# Altium PCB HIL_RIG_REV_1_2.PcbDoc (part 5 of 14) (continued)
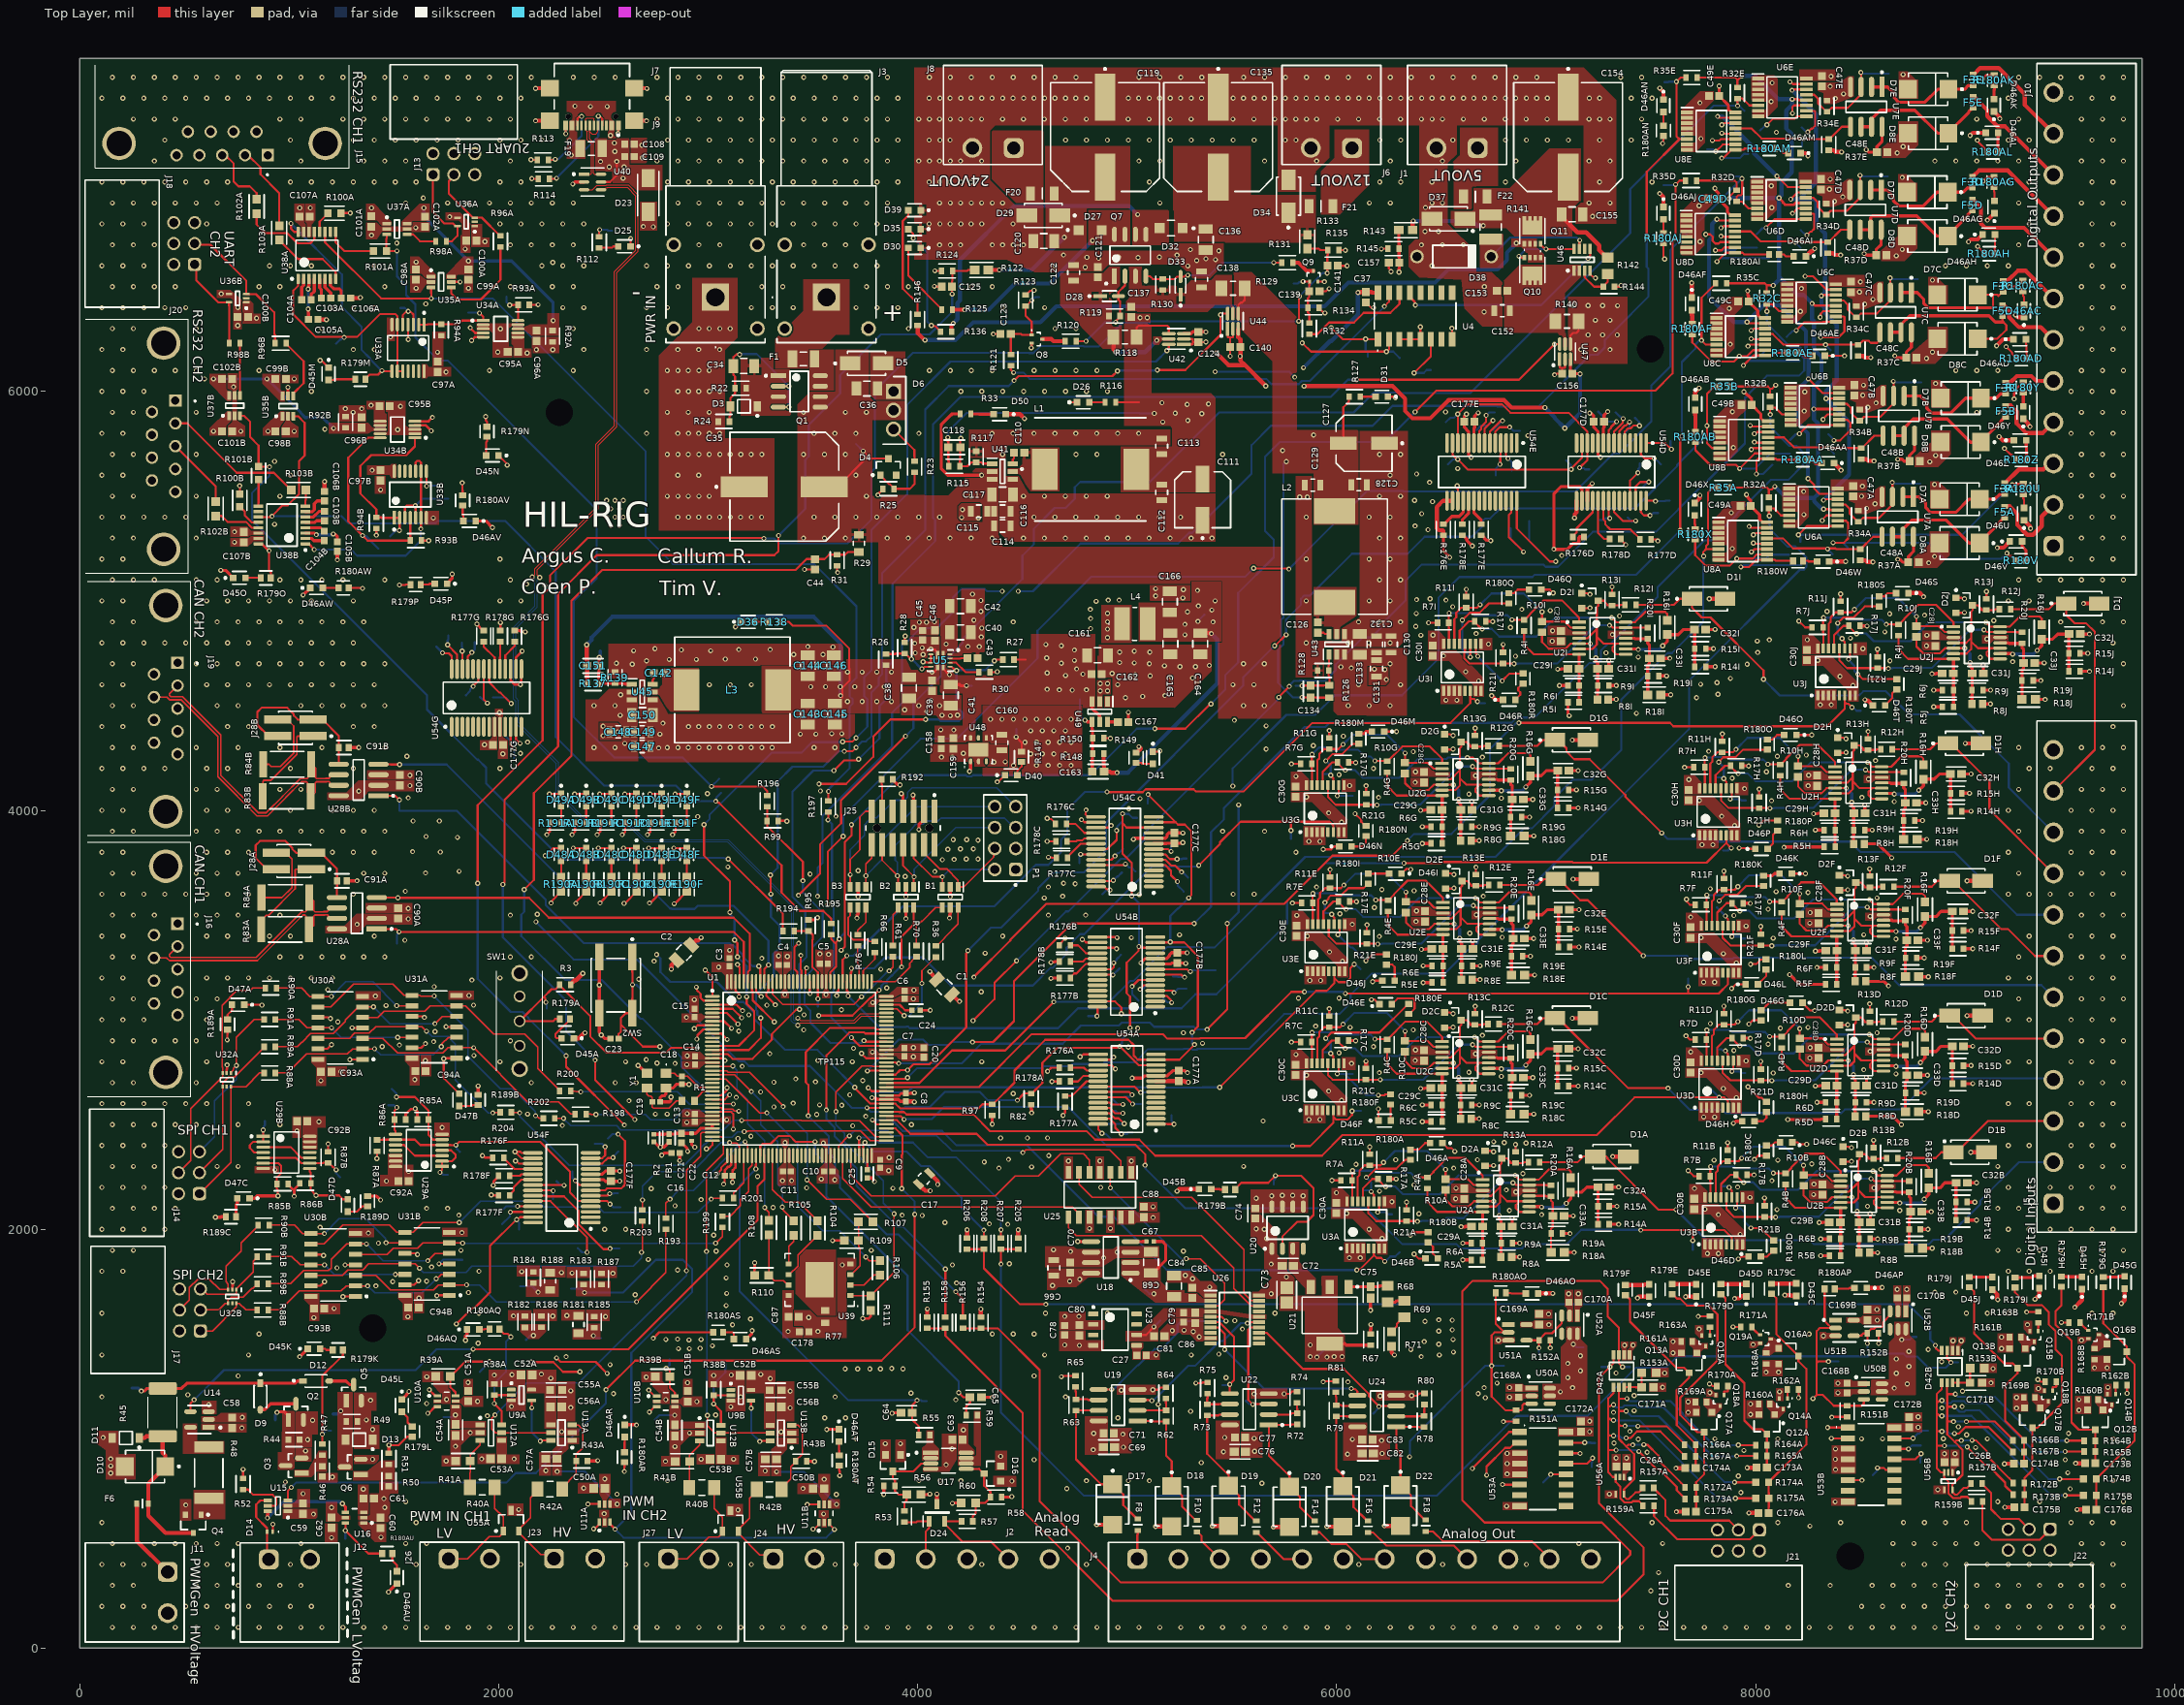
[diagram p0: Top Layer view]
## Part data (continued)
R126: library part CMP-009-00329-1, "Res Thick Film 0603 48.7K Ohm 1% 0.1W(1/10W) ±100ppm/C Pad SMD T/R", Case Code (Imperial)=0603, Max Operating Temperature=155°C, Max Power Dissipation=100mW, Min Operating Temperature=-55°C, Temperature Coefficient=100ppm/°C, Tolerance=1%, Voltage Rating=75V, Voltage Rating (DC)=50V, Case/Package=0603, China RoHS=Non-Compliant, Composition="Thick Film", Depth=800µm, Features="Moisture Resistant", Height=450µm, Lead Free="Lead Free", Length=1.6mm, Lifecycle Status=Production, Military Standard=Not, Mounting Technology="Surface Mount", Number of Terminals=2, Number of Terminations=2, Power Rating=100mW, REACH SVHC=Yes, RoHS=Compliant, Schedule B="8533210045, 8533210045", Termination=SMD/SMT, Width=800µm, Working Voltage=75V
R127 R136: library part CMP-009-00325-1, "Fixed Resistor, Thin Film, 0.1W, 5600ohm, 75V, 1% +/-Tol, 50ppm/Cel, Surface Mount, 0603", Case Code (Imperial)=0603, Max Operating Temperature=155°C, Max Power Dissipation=100mW, Min Operating Temperature=-55°C, Temperature Coefficient=50ppm/°C, Tolerance=1%, Voltage Rating=75V, Case/Package=0603, China RoHS=Non-Compliant, Composition="Thin Film", Depth=800µm, Height=450µm, Lead Free="Lead Free", Length=1.6mm, Lifecycle Status=Production, Military Standard=Not, Mounting Technology="Surface Mount", Number of Terminals=2, Number of Terminations=2, Pins=2, Power Rating=100mW, REACH SVHC=Yes, RoHS=Compliant, Schedule B="8533210045, 8533210045", Termination=SMD/SMT, Voltage Rating (DC)=75V, Width=800µm, Working Voltage=75V
R139: library part CMP-009-00352-1, "100mW Thin Film Resistor ±25ppm/℃ ±0.1% 19.1kΩ 0603 Chip Resistor - Surface Mount ROHS", Case Code (Imperial)=0603, Max Operating Temperature=155°C, Max Power Dissipation=100mW, Min Operating Temperature=-55°C, Temperature Coefficient=25ppm/°C, Tolerance=0.1%, Voltage Rating=75V, Voltage Rating (DC)=50V, Case/Package=0603, China RoHS=Non-Compliant, Composition="Thin Film", Depth=800µm, Features="Moisture Resistant", Height=450µm, Lead Free="Lead Free", Length=1.6mm, Lifecycle Status=Production, Military Standard=Not, Mounting Technology="Surface Mount", Number of Terminals=2, Number of Terminations=2, Power Rating=100mW, REACH SVHC=Yes, RoHS=Compliant, Schedule B="8533210045, 8533210045", Termination=SMD/SMT, Weight=2.012816mg, Width=800µm, Working Voltage=75V
R141: library part CMP-009-00336-1, "500mW Thick Film Resistors 200V ±100ppm/℃ ±1% 1kΩ 1210 Chip Resistor - Surface Mount ROHS", Case/Package=1210, Manufacturer Package Identifier="1210 (3225 Metric)", Max Operating Temperature=155°C, Max Power Dissipation=500mW, Min Operating Temperature=-55°C, Ratings=AEC-Q200, Temperature Coefficient=100ppm/°C, Tolerance=1%, Working Voltage=200V, China RoHS=Non-Compliant, Composition="Thick Film", Country of Origin="Mainland China, Taiwan", Export Control Classification Number (ECCN) Code=EAR99, Features="Automotive AEC-Q200, Moisture Resistant", Harmonized Tariff Schedule (HTS) Code=8533.21.00.30, Height=550µm, Introduction Date=2012-04-10, Length=3.1mm, Lifecycle Status=Production, Mounting Technology="Surface Mount", Number of Terminals=2, Number of Terminations=2, Power Rating=500mW, REACH SVHC=Yes, RoHS=Compliant, Schedule B="8533210045, 8533210045", Width=2.6mm
R147 R149 R179A R179B R179C R179D R179E R179F R179G R179H R179I R179J R179K R179L R179M R179N R179O R179P R180A R180AA R180AB R180AC R180AD R180AE R180AF R180AG R180AH R180AI R180AJ R180AK R180AL R180AM R180AN R180AO R180AP R180AQ R180AR R180AS R180AT R180AU R180AV R180AW R180B R180C R180D R180E R180F R180G R180H R180I R180J R180K R180L R180M R180N R180O R180P R180Q R180R R180S R180T R180U R180V R180W R180X R180Y R180Z R189A R189B R189C R189D: library part CMP-009-00300-1, "Fixed Resistor, Metal Glaze/Thick Film, 0.1W, 680ohm, 75V, 5% +/-Tol, Surface Mount, 0603", Case Code (Imperial)=0603, Max Operating Temperature=155°C, Max Power Dissipation=100mW, Min Operating Temperature=-55°C, Ratings=AEC-Q200, Temperature Coefficient=200ppm/°C, Tolerance=5%, Voltage Rating=75V, Case/Package=0603, China RoHS=Non-Compliant, Composition="Thick Film", Contact Plating=Tin, Country of Origin="Israel, Taiwan", Depth=850µm, Export Control Classification Number (ECCN) Code=EAR99, Features="Automotive AEC-Q200", Harmonized Tariff Schedule (HTS) Code=8533.21.00.30, Height=450µm, Introduction Date=2005-02-16, Lead Free="Lead Free", Length=1.55mm, Lifecycle Status=Production, Military Standard=Not, Mounting Technology="Surface Mount", Number of Terminals=2, Number of Terminations=2, Packaging="Cut Tape", Pins=2, Power Rating=100mW, Radiation Hardening=No, REACH SVHC=Yes, RoHS=Compliant, Schedule B="8533210045, 8533210045", Termination=SMD/SMT, Voltage Rating (DC)=75V, Weight=2.012816mg, Width=850µm, Working Voltage=75V
R148: library part CMP-009-00323-1, "100mW Thin Film Resistor 75V ±25ppm/℃ ±0.1% 33.2kΩ 0603 Chip Resistor - Surface Mount ROHS", Case Code (Imperial)=0603, Max Operating Temperature=155°C, Max Power Dissipation=100mW, Min Operating Temperature=-55°C, Temperature Coefficient=25ppm/°C, Tolerance=0.1%, Voltage Rating=75V, Voltage Rating (DC)=50V, Case/Package=0603, China RoHS=Non-Compliant, Composition="Thin Film", Contact Plating=Tin, Depth=800µm, Height=450µm, Lead Free="Lead Free", Length=1.6mm, Lifecycle Status=Production, Military Standard=Not, Mounting Technology="Surface Mount", Number of Terminals=2, Number of Terminations=2, Power Rating=100mW, Radiation Hardening=No, REACH SVHC=Yes, RoHS=Compliant, Termination=SMD/SMT, Width=800µm, Working Voltage=75V
R172A R172B R173A R173B: library part CMP-009-00293-1, "Res Thin Film 0603 4.7K Ohm 0.1% 0.1W(1/10W) ±25ppm/C Pad SMD T/R", Case Code (Imperial)=0603, Max Operating Temperature=155°C, Max Power Dissipation=100mW, Min Operating Temperature=-55°C, Temperature Coefficient=25ppm/°C, Tolerance=0.1%, Voltage Rating=75V, Voltage Rating (DC)=50V, Case/Package=0603, China RoHS=Non-Compliant, Composition="Thin Film", Contact Plating="Lead, Tin", Country of Origin="Mainland China, Taiwan", Depth=800µm, Export Control Classification Number (ECCN) Code=EAR99, Features="Moisture Resistant", Harmonized Tariff Schedule (HTS) Code=8533.21.00.30, Height=450µm, Introduction Date=2008-06-09, Lead Free="Lead Free", Length=1.6mm, Lifecycle Status=Production, Military Standard=Not, Mounting Technology="Surface Mount", Number of Terminals=2, Number of Terminations=2, Power Rating=100mW, REACH SVHC=Yes, RoHS=Compliant, Schedule B="8533210045, 8533210045", Termination=SMD/SMT, Weight=2.012816mg, Width=800µm, Working Voltage=75V
R174A R174B R175A R175B: library part CMP-009-00353-1, "100mW Thin Film Resistor 75V ±25ppm/℃ ±0.1% 1kΩ 0603 Chip Resistor - Surface Mount ROHS", Case Code (Imperial)=0603, Max Operating Temperature=155°C, Max Power Dissipation=100mW, Min Operating Temperature=-55°C, Temperature Coefficient=25ppm/°C, Tolerance=0.1%, Voltage Rating=75V, Voltage Rating (DC)=50V, Case/Package=0603, China RoHS=Non-Compliant, Composition="Thin Film", Contact Plating="Lead, Tin", Country of Origin="Mainland China, Taiwan", Depth=800µm, Export Control Classification Number (ECCN) Code=EAR99, Features="Moisture Resistant", Harmonized Tariff Schedule (HTS) Code=8533.21.00.30, Height=450µm, Introduction Date=2008-06-09, Lead Free="Lead Free", Length=1.6mm, Lifecycle Status=Production, Military Standard=Not, Mounting Technology="Surface Mount", Number of Terminals=2, Number of Terminations=2, Power Rating=100mW, REACH SVHC=Yes, RoHS=Compliant, Schedule B="8533210045, 8533210045", Termination=SMD/SMT, Width=800µm, Working Voltage=75V
R181 R188: library part CMP-009-00340-1, "125mW Thin Film Resistor ±25ppm/℃ ±0.1% 10.2kΩ 0805 Chip Resistor - Surface Mount ROHS", Case Code (Imperial)=0805, Manufacturer Package Identifier="0805 (2012 metric)", Max Operating Temperature=155°C, Max Power Dissipation=125mW, Min Operating Temperature=-55°C, Temperature Coefficient=25ppm/°C, Tolerance=0.1%, Voltage Rating=150V, Case/Package=0805, China RoHS=Non-Compliant, Composition="Thin Film", Country of Origin="Mainland China, Taiwan", Export Control Classification Number (ECCN) Code=EAR99, Harmonized Tariff Schedule (HTS) Code=8533.21.00.30, Height=500µm, Introduction Date=2008-06-09, Lead Free="Lead Free", Length=2mm, Lifecycle Status=Production, Mounting Technology="Surface Mount", Number of Terminals=2, Number of Terminations=2, Power Rating=125mW, REACH SVHC=Yes, RoHS=Compliant, Schedule B="8533210045, 8533210045", Termination=SMD/SMT, Voltage Rating (DC)=150V, Weight=5.499807mg, Width=1.25mm, Working Voltage=150V
R182 R183: library part CMP-009-00263-1, "100mW Thin Film Resistor 75V ±25ppm/℃ ±0.1% 11.5kΩ 0603 Chip Resistor - Surface Mount ROHS", Case Code (Imperial)=0603, Max Operating Temperature=155°C, Max Power Dissipation=100mW, Min Operating Temperature=-55°C, Temperature Coefficient=25ppm/°C, Tolerance=0.1%, Voltage Rating=75V, Case/Package=0603, China RoHS=Non-Compliant, Composition="Thin Film", Country of Origin="Mainland China, Taiwan", Depth=800µm, Export Control Classification Number (ECCN) Code=EAR99, Features="Moisture Resistant", Harmonized Tariff Schedule (HTS) Code=8533.21.00.30, Height=450µm, Introduction Date=2008-06-09, Lead Free="Lead Free", Length=1.6mm, Lifecycle Status=Production, Military Standard=Not, Mounting Technology="Surface Mount", Number of Terminals=2, Number of Terminations=2, Power Rating=100mW, REACH SVHC=Yes, RoHS=Compliant, Schedule B="8533210045, 8533210045", Termination=SMD/SMT, Voltage Rating (DC)=75V, Weight=2.012816mg, Width=800µm, Working Voltage=75V
R184: library part CMP-009-00337-1, "100mW Thin Film Resistor 75V ±25ppm/℃ ±0.1% 11.3kΩ 0603 Chip Resistor - Surface Mount ROHS", Case Code (Imperial)=0603, Max Operating Temperature=155°C, Max Power Dissipation=100mW, Min Operating Temperature=-55°C, Temperature Coefficient=25ppm/°C, Tolerance=0.1%, Voltage Rating=75V, Case/Package=0603, China RoHS=Non-Compliant, Composition="Thin Film", Depth=800µm, Height=450µm, Lead Free="Lead Free", Length=1.6mm, Lifecycle Status=Production, Military Standard=Not, Mounting Technology="Surface Mount", Number of Terminals=2, Number of Terminations=2, Power Rating=100mW, REACH SVHC=Yes, RoHS=Compliant, Termination=SMD/SMT, Voltage Rating (DC)=75V, Width=800µm, Working Voltage=75V
R185: library part CMP-009-00277-1, "Res Thin Film 0603 3.4K Ohm 0.1% 0.1W(1/10W) ±25ppm/C Pad SMD T/R", Case Code (Imperial)=0603, Max Operating Temperature=155°C, Max Power Dissipation=100mW, Min Operating Temperature=-55°C, Temperature Coefficient=25ppm/°C, Tolerance=0.1%, Voltage Rating=75V, Voltage Rating (DC)=50V, Case/Package=0603, China RoHS=Non-Compliant, Composition="Thin Film", Contact Plating=Tin, Country of Origin="Mainland China, Taiwan", Depth=800µm, Export Control Classification Number (ECCN) Code=EAR99, Features="Moisture Resistant", Harmonized Tariff Schedule (HTS) Code=8533.21.00.30, Height=450µm, Introduction Date=2008-06-09, Lead Free="Lead Free", Length=1.6mm, Lifecycle Status=Production, Military Standard=Not, Mounting Technology="Surface Mount", Number of Terminals=2, Number of Terminations=2, Power Rating=100mW, Radiation Hardening=No, REACH SVHC=Yes, RoHS=Compliant, Schedule B="8533210045, 8533210045", Termination=SMD/SMT, Weight=2.012816mg, Width=800µm, Working Voltage=75V
R186: library part CMP-009-00270-1, "100mW Thin Film Resistor ±25ppm/℃ ±0.1% 6.98kΩ 0603 Chip Resistor - Surface Mount ROHS", Case Code (Imperial)=0603, Max Operating Temperature=155°C, Max Power Dissipation=100mW, Min Operating Temperature=-55°C, Temperature Coefficient=25ppm/°C, Tolerance=0.1%, Voltage Rating=75V, Voltage Rating (DC)=50V, Case/Package=0603, China RoHS=Non-Compliant, Composition="Thin Film", Features="Moisture Resistant", Height=450µm, Lead Free="Lead Free", Length=1.6mm, Lifecycle Status=Production, Mounting Technology="Surface Mount", Number of Terminals=2, Number of Terminations=2, Power Rating=100mW, REACH SVHC=Yes, RoHS=Compliant, Schedule B="8533210045, 8533210045", Termination=SMD/SMT, Width=800µm, Working Voltage=75V
R187: library part CMP-009-00278-1, "100mW Thin Film Resistor ±25ppm/℃ ±0.1% 3.57kΩ 0603 Chip Resistor - Surface Mount ROHS", Case Code (Imperial)=0603, Max Operating Temperature=155°C, Max Power Dissipation=100mW, Min Operating Temperature=-55°C, Temperature Coefficient=25ppm/°C, Tolerance=0.1%, Voltage Rating=75V, Voltage Rating (DC)=50V, Case/Package=0603, China RoHS=Non-Compliant, Composition="Thin Film", Country of Origin="Mainland China, Taiwan", Depth=800µm, Export Control Classification Number (ECCN) Code=EAR99, Features="Moisture Resistant", Harmonized Tariff Schedule (HTS) Code=8533.21.00.30, Height=450µm, Introduction Date=2008-06-09, Lead Free="Lead Free", Length=1.6mm, Lifecycle Status=Production, Military Standard=Not, Mounting Technology="Surface Mount", Number of Terminals=2, Number of Terminations=2, Power Rating=100mW, REACH SVHC=Yes, RoHS=Compliant, Schedule B="8533210045, 8533210045", Termination=SMD/SMT, Weight=2.012816mg, Width=800µm, Working Voltage=75V
R190A R190B R190C R190D R190E R190F: library part CMP-009-00304-1, "Res Thick Film 0603 470 Ohm 5% 0.1W(1/10W) ±100ppm/°C Pad SMD T/R Automotive AEC-Q200", Ambient Temperature Range High=70°C, Case/Package=0603, Manufacturer Lifecycle Status=ACTIVE, Max Operating Temperature=155°C, Min Operating Temperature=-55°C, Operating Supply Voltage=75V, Power Rating=100mW, Ratings=AEC-Q200, Temperature Coefficient=100ppm/°C, Tolerance=5%, China RoHS=Non-Compliant, Composition="Thick Film", Export Control Classification Number (ECCN) Code=EAR99, Harmonized Tariff Schedule (HTS) Code=8533.21.00.30, Height=450µm, Introduction Date=2019-08-26, Length=1.6mm, Lifecycle Status=Production, Mounting Technology="Surface Mount", Number of Terminals=2, Packaging="Cut Tape", REACH SVHC=Yes, RoHS=Compliant, Schedule B="8533210025, 8533210025", Voltage Rating=75V, Voltage Rating (DC)=75V, Width=800µm, Working Voltage=75V
R191A R191B R191C R191D R191E R191F: library part CMP-009-00324-1, "Res Thin Film 0603 180 Ohm 0.5% 0.1W(1/10W) ±50ppm/C Pad SMD T/R", Case Code (Imperial)=0603, Max Operating Temperature=155°C, Max Power Dissipation=100mW, Min Operating Temperature=-55°C, Temperature Coefficient=50ppm/°C, Tolerance=0.5%, Voltage Rating=75V, Voltage Rating (DC)=50V, Case/Package=0603, China RoHS=Non-Compliant, Composition="Thin Film", Country of Origin="Mainland China, Taiwan", Export Control Classification Number (ECCN) Code=EAR99, Features="Moisture Resistant", Harmonized Tariff Schedule (HTS) Code=8533.21.00.30, Height=450µm, Introduction Date=2008-07-11, Lead Free="Lead Free", Length=1.6mm, Lifecycle Status=Production, Mounting Technology="Surface Mount", Number of Terminals=2, Number of Terminations=2, Packaging="Tape & Reel (TR)", Power Rating=100mW, REACH SVHC=Yes, RoHS=Compliant, Schedule B=8533210045, Width=800µm, Working Voltage=75V
SW1: library part CMP-033-000002-3, "Toggle Switches Plugin RoHS", Manufacturer_Name="Korean Hroparts Elec", Manufacturer_Part_Number=SS-12F44-G5, Datasheet Link=https://datasheet.lcsc.com/szlcsc/Korean-Hroparts-Elec-SS-12F44-G5_C136718.pdf, Design Item ID=SS-12F44-G5, Height=11mm, Source=MAX17643ATC+.SchLib
SW2: library part CMP-011-00022-1, "Switch Tactile ON OFF SPST Round Button J-Bend 0.02A 15VDC 3.5N SMD Embossed T/R", Case/Package=SMD/SMT, Color=White, Contact Current Rating=20mA, Contact Resistance=100mΩ, Insulation Resistance=100MΩ, Max Operating Temperature=85°C, Max Voltage Rating (DC)=15V, Min Operating Temperature=-40°C, Operating Force=3.5N, Voltage Rating (AC)=250V, Actuator Length=1.3mm, Country of Origin="Japan, Mainland China", Current Rating=20mA, Depth=6.6mm, Electrical Life=100kcycles, Export Control Classification Number (ECCN) Code=EAR99, Harmonized Tariff Schedule (HTS) Code=8536.50.90.40, Height=1.8mm, Illumination Type="Illuminated, Non-Illuminated", Introduction Date=2006-02-25, Lead Free="Lead Free", Length=6.5mm, Lifecycle Status=Production, Max Current Rating=20mA, Mechanical Life=100kcycles, Mounting Technology="Surface Mount", Number of Poles=1, Number of Positions=1, Radiation Hardening=No, REACH SVHC=Yes, RoHS=Compliant, Switch Function=Off-Mom, Switch Travel=250µm, Termination=Solder, Thickness=1.8mm, Throw Configuration=SPST, Voltage Rating (DC)=15V, Width=6mm
TP1 TP2 TP3A TP3B TP3C TP3D TP3E TP3F TP3G TP3H TP3I TP3J TP4A TP4B TP4C TP4D TP4E TP4F TP4G TP4H TP4I TP4J TP5A TP5B TP5C TP5D TP5E TP5F TP5G TP5H TP5I TP5J TP6A TP6B TP6C TP6D TP6E TP6F TP6G TP6H TP6I TP6J TP7A TP7B TP7C TP7D TP7E TP7F TP7G TP7H TP7I TP7J TP8A TP8B TP8C TP8D TP8E TP8F TP8G TP8H TP8I TP8J TP9 TP10 TP11 TP12 TP13 TP14 TP15A TP15B TP15C TP15D TP15E TP16A TP16B TP16C TP16D TP16E TP17A TP17B TP17C TP17D TP17E TP18A TP18B TP18C TP18D TP18E TP19A TP19B TP19C TP19D TP19E TP20A TP20B TP20C TP20D TP20E TP21A TP21B TP22A TP22B TP23A TP23B TP24A TP24B TP25A TP25B TP26A TP26B TP26C TP26D TP26E TP26F TP26G TP26H TP26I TP26J TP27A TP27B TP28 TP29 TP30 TP31 TP32 TP33 TP34 TP35 TP36 TP37 TP38 TP39 TP40 TP41 TP42 TP43 TP44 TP45 TP46 TP47A TP47B TP47C TP47D TP47E TP47F TP47G TP48A TP48B TP49A TP49B TP50A TP50B TP51A TP51B TP52A TP52B TP53A TP53B TP54A TP54B TP55A TP55B TP56A TP56B TP57A TP57B TP58 TP59 TP60 TP61 TP62 TP63 TP64 TP65 TP66 TP67 TP68 TP69 TP70 TP71 TP72 TP73 TP74 TP75A TP75B TP76A TP76B TP77A TP77B TP78A TP78B TP79A TP79B TP80A TP80B TP81A TP81B TP82A TP82B TP83A TP83B TP84A TP84B TP84C TP84D TP84F TP84G TP85A TP85B TP85C TP85D TP85F TP85G TP86A TP86C TP86F TP86G TP87A TP87C TP87F TP88A TP88D TP88F TP88G TP89A TP89D TP89F TP89G TP90A TP90B TP90C TP90D TP90E TP90F TP90G TP91A TP91B TP91C TP91D TP91E TP91G TP92A TP92D TP93D TP94B TP94E TP95B TP95E TP96B TP96C TP96D TP96E TP96F TP97B TP97C TP97D TP97E TP97F TP98B TP98C TP98D TP98E TP98F TP99B TP99C TP99D TP99E TP99F TP100 TP101 TP102 TP103 TP104 TP105 TP106 TP107 TP108 TP109A TP109B TP109C TP109D TP109E TP110A TP110B TP110C TP110D TP110E TP111 TP112A TP112B TP113A TP113B TP114 TP115 TP116A TP116B TP116C TP116D TP116E TP116F TP116G: library part CMP-00028-00002-2, "0.6mm round", Pins=1
U1: library part CMP-031-00008-1, "Mcu, 32 Bit, CORTEX-M4, 180MHZ, LQFP-144", Case/Package=LQFP, Frequency=180MHz, Max Supply Voltage=3.6V, Min Supply Voltage=1.7V, Memory Size=512kB, Number of I/Os=114, Pins=144, RAM Size=128kB, REACH SVHC=No
U2A U2B U2C U2D U2E U2F U2G U2H U2I U2J: library part CMP-014-00007-1, "Cut Tape (CT) LM2901 CMOS MOS Open-Collector TTL 0.25muA comparator circuit 250nA 1.3mus 5mm 9V", Case/Package=TSSOP, Dual Supply Voltage=9V, Input Bias Current=-25nA, Input Offset Voltage (Vos)=2mV, Manufacturer Lifecycle Status=ACTIVE, Max Dual Supply Voltage=15V, Max Input Current=250nA, Max Junction Temperature (Tj)=125°C, Max Supply Current=2mA, Max Supply Voltage=30V, Min Dual Supply Voltage=1V, Min Operating Temperature=-40°C, Min Supply Voltage=2V, Operating Supply Voltage=28V, Output Current per Channel=20mA, Quiescent Current=2.5mA, Voltage Gain=100dB, Contact Plating=Gold, Height=0m, Lead Free="Lead Free", Length=5mm, Lifecycle Status=Production, Max Operating Temperature=125°C, Mounting Technology="Surface Mount", Nominal Supply Current=2mA, Number of Channels=4, Number of Elements=4, Output Type=TTL, Packaging="Cut Tape", Pins=14, Radiation Hardening=No, REACH SVHC=No, Response Time=1.3µs, RoHS=Compliant, Schedule B="8542390000, 8542390000", Thickness=1mm, Weight=57.209338mg, Width=4.4mm
U3A U3B U3C U3D U3E U3F U3G U3H U3I U3J: library part CMP-031-00026-2, "Multiplexer 1-ELEMENT Cmos 8-IN 16-PIN TSSOP T/r / IC Selector/mux 8-1LINE 16-TSSOP", Case/Package=TSSOP, High Level Output Current=7.8mA, Manufacturer Lifecycle Status=ACTIVE, Max Operating Temperature=85°C, Max Supply Voltage=6V, Min Operating Temperature=-40°C, Min Supply Voltage=2V, Operating Supply Voltage=5V, Bandwidth=28MHz, Contact Plating=Gold, Height=1.2mm, Independent Circuits=1, Lead Free="Lead Free", Length=5mm, Lifecycle Status=Production, Logic Function=Multiplexer, Low Level Output Current=7.8mA, Mounting Technology="Surface Mount", Number of Bits=8, Number of Channels=1, Number of Input Lines=8, Number of Inputs=8, Number of Output Lines=1, Number of Outputs=1, Pins=16, Propagation Delay=47ns, Radiation Hardening=No, RoHS=Compliant, Schedule B="8542390000, 8542390000", Supply Type=Single, Thickness=1mm, Weight=61.887009mg, Width=4.4mm
U4 U53A U53B: library part CMP-031-00027-2, "74HC(T)238 - 3-to-8 line decoder/demultiplexer@en-us", Manufacturer_Name=Nexperia, Mouser Part Number=771-74HC238D-T, Arrow Part Number=74HC238D,653, Arrow Price/Stock=https://www.arrow.com/en/products/74hc238d653/nexperia.html?utm_currency=USD&region=europe, Datasheet Link=https://assets.nexperia.com/documents/data-sheet/74HC_HCT238.pdf, Design Item ID=74HC238D,653, Height=1.75mm, Manufacturer_Part_Number=74HC238D,653, Mouser Price/Stock=https://www.mouser.co.uk/ProductDetail/Nexperia/74HC238D653?qs=P62ublwmbi8dvjtlyD3gOA%3D%3D, Source=MAX17643ATC+.SchLib
U5: library part CMP-031-00010-1, "2.7-V to 22-V, 56-mΩ, 4.5-A, power mux with seamless switchover 12-VQFN-HR -40 to 125", Max Operating Temperature=125°C, Max Supply Voltage=22V, Min Operating Temperature=-40°C, Min Supply Voltage=2.8V, Pins=12
U6A U6B U6C U6D U6E U8A U8B U8C U8D U8E: library part CMP-031-00021-1, "Texas Instruments", Mouser Part Number=595-TMUX4052PWR, Arrow Part Number=TMUX4052PWR, Arrow Price/Stock=https://www.arrow.com/en/products/tmux4052pwr/texas-instruments.html?utm_currency=USD&region=nac, Datasheet Link=https://www.ti.com/lit/ds/symlink/tmux4052.pdf?ts=1676371866155&ref_url=https%253A%252F%252Fwww.ti.com%252Fproduct%252FTMUX4052, Design Item ID=TMUX4052PWR, Height=1.2mm, Manufacturer_Name="Texas Instruments", Manufacturer_Part_Number=TMUX4052PWR, Mouser Price/Stock=https://www.mouser.co.uk/ProductDetail/Texas-Instruments/TMUX4052PWR?qs=amGC7iS6iy8OsL8GnYryxg%3D%3D, Source=MAX17643ATC+.SchLib
U7A U7B U7C U7D U7E: library part CMP-014-00003-1, "IC OPAMP GP 2 CIRCUIT 8SOIC / General Purpose Amplifier 2 Circuit Rail-to-Rail 8-SOIC", Ambient Temperature Range High=125°C, Case/Package=SOIC, Input Bias Current=10pA, Input Offset Voltage (Vos)=300µV, Manufacturer Lifecycle Status=ACTIVE, Max Dual Supply Voltage=20V, Max Junction Temperature (Tj)=150°C, Max Supply Voltage=40V, Min Dual Supply Voltage=1.35V, Min Operating Temperature=-40°C, Min Supply Voltage=2.7V, Nominal Supply Current=120µA, Output Current per Channel=80mA, Height=1.75mm, Length=4.9mm, Lifecycle Status=Production, Max Operating Temperature=125°C, Number of Channels=2, Pins=8, RoHS=Compliant, Schedule B=8542330000, Thickness=1.58mm, Width=3.91mm
U9A U9B: library part CMP-016-00022-1, "IC SINGLE INVERTER GATE SC70-5 / Inverter 1-Element CMOS 5-Pin SC-70 T/R", Case/Package=SC, High Level Output Current=-32mA, Low Level Output Current=32mA, Manufacturer Lifecycle Status=ACTIVE, Max Operating Temperature=125°C, Max Supply Voltage=5.5V, Min Operating Temperature=-40°C, Min Supply Voltage=1.65V, Quiescent Current=10µA, Height=1.1mm, Lead Free="Lead Free", Length=2mm, Lifecycle Status=Production, Logic Function=Inverter, Max Output current=32mA, Mounting Technology="Surface Mount", Number of Bits=1, Number of Channels=1, Number of Circuits=1, Number of Elements=1, Number of Gates=1, Number of Inputs=1, Number of Outputs=1, Output Current=32mA, Packaging="Cut Tape", Pins=5, Propagation Delay=3.7ns, Radiation Hardening=No, REACH SVHC=No, RoHS=Compliant, Schedule B="8542390000, 8542390000", Schmitt Trigger Input=No, Termination=SMD/SMT, Thickness=900µm, Turn-On Delay Time=7.5ns, Weight=2.494758mg, Width=1.25mm
U10A U10B U11A U11B U16: library part CMP-011-00020-2, "Single-pole Double-throw Analog Switch SPDT, 1 Func, 1 Channel, Cmos, PDSO6", Ambient Temperature Range High=125°C, Case/Package=SC, Drain to Source Resistance=11Ω, Frequency=340MHz, High Level Output Current=128mA, Manufacturer Lifecycle Status=ACTIVE, Max Junction Temperature (Tj)=150°C, Max Supply Current=10µA, Max Supply Voltage=5.5V, Min Operating Temperature=-40°C, Min Supply Voltage=1.65V, Nominal Supply Current=1µA, On-State Resistance=6Ω, -3db Bandwidth=340MHz, Bandwidth=300MHz, Contact Plating=Gold, Height=1.1mm, Interface="I2C, SPI, UART", Lead Free="Lead Free", Length=2mm, Lifecycle Status=Production, Low Level Output Current=128mA, Max Operating Temperature=125°C, Mounting Technology="Surface Mount", Number of Bits=1, Number of Channels=1, Number of Circuits=1, Number of Inputs=2, Number of Outputs=1, Operating Supply Current=1µA, Packaging="Cut Tape", Pins=6, Polarity=Non-Inverting, Propagation Delay=2ns, Radiation Hardening=No, REACH SVHC=No, RoHS=Compliant, Schedule B="8542390000, 8542390000", Supply Type=Single, Termination=SMD/SMT, Thickness=900µm, Throw Configuration=SPDT, Turn-Off Delay Time=3.8ns, Turn-On Delay Time=5.7ns, Weight=2.494758mg, Width=1.25mm
U12A U12B U13A U13B: library part CMP-031-00017-7, "Automotive-grade, high-speed, single rail-to-rail comparator with shutdown function 6-SOT-23 -40 to 125", Manufacturer_Name="Texas Instruments", Copyright="Copyright (C) 2025 Ultra Librarian. All rights reserved.", Design Item ID=TLV3501AQDBVRQ1, Manufacturer_Part_Number=TLV3501AQDBVRQ1, RefDes=RefDes, Source=TLV3501AQDBVRQ1.SchLib, Type=TYPE
U14: library part CMP-00024-00007-1, "Automotive 4-A/4-A single-channel gate driver with 5-V UVLO and dual-input structure 5-SOT-23 -40 to 125", Ambient Temperature Range High=140°C, Case/Package=SOT-23, Manufacturer Lifecycle Status=ACTIVE, Max Junction Temperature (Tj)=150°C, Max Operating Temperature=125°C, Max Output current=4A, Max Supply Voltage=18V, Min Operating Temperature=-40°C, Min Supply Voltage=4.5V, Channel Type=Single, Fall Time=7ns, Height=1.45mm, Lead Free="Lead Free", Length=2.9mm, Lifecycle Status=Production, Mounting Technology="Surface Mount", Number of Channels=1, Number of Drivers=1, Number of Outputs=1, Output Current=4A, Packaging="Tape & Reel (TR)", Pins=5, Propagation Delay=13ns, Radiation Hardening=No, Rise Time=8ns, RoHS=Compliant, Schedule B="8542390000, 8542390000", Thickness=1.2mm, Width=1.6mm
U15 U35A U35B U37A U37B: library part CMP-016-00013-1, "Translators, Level Shifters bidirectional 420Mbps 1.65V~5.5VCCA 1.65V~5.5VCCB", Case/Package=SC, High Level Output Current=-32mA, Low Level Output Current=32mA, Manufacturer Lifecycle Status=ACTIVE, Max Operating Temperature=85°C, Max Supply Voltage=5.5V, Min Operating Temperature=-40°C, Min Supply Voltage=1.65V, Quiescent Current=3µA, Contact Plating=Gold, Data Rate=420Mbps, Direction=Bidirectional, Height=1.1mm, Lead Free="Lead Free", Length=2mm, Lifecycle Status=Production, Logic Function="Transceiver, Translator", Min Supply Voltage (DC)=1.65V, Mounting Technology="Surface Mount", Number of Bits=1, Number of Channels=1, Number of Elements=1, Packaging="Cut Tape", Pins=6, Polarity=Non-Inverting, Propagation Delay=3.9ns, Radiation Hardening=No, REACH SVHC=No, RoHS=Compliant, Schedule B="8542390000, 8542390000", Thickness=900µm, Topology=Push-Pull, Turn-On Delay Time=17.7ns, Weight=2.494758mg, Width=1.25mm
U17: library part CMP-014-00005-1, "Dual, 5.5-V, 10-MHz operational amplifier 8-VSSOP -40 to 125", Case/Package=VSSOP, Max Operating Temperature=125°C, Max Supply Voltage=5.5V, Min Operating Temperature=-40°C, Min Supply Voltage=1.8V, Pins=8
U18: library part CMP-019-00063-1, "LDO Regulator Pos 5V 0.5A Automotive 8-Pin SOIC N Tube / IC REG LDO 5V 0.5A 8SOIC", Dropout Voltage=300mV, Manufacturer Lifecycle Status=PRODUCTION, Max Operating Temperature=125°C, Max Output current=500mA, Max Supply Voltage=20V, Min Current Limit=520mA, Min Input Voltage=1.8V, Min Operating Temperature=-40°C, Nominal Output Voltage=5V, Operating Supply Current=30µA, Power Supply Rejection Ratio (PSRR)=65dB, Height=1.498mm, Lead Free="Lead Free", Length=5mm, Lifecycle Status=Production, Number of Channels=1, Number of Outputs=1, Number of Regulators=1, Output Current=500mA, Output Type=Fixed, Output Voltage=5V, Pins=8, Polarity=Positive, Quiescent Current=30µA, REACH SVHC=No, RoHS=Compliant, Schedule B="8542390000, 8542390000", Width=3.988mm
U19 U22 U24: library part CMP-014-00008-1, "IC OPAMP GP 2 CIRCUIT 8SOIC / General Purpose Amplifier 2 Circuit Rail-to-Rail 8-SOIC", Case/Package=SOIC, Input Bias Current=5pA, Input Offset Voltage (Vos)=25µV, Manufacturer Lifecycle Status=ACTIVE, Max Dual Supply Voltage=18V, Max Junction Temperature (Tj)=150°C, Max Operating Temperature=125°C, Max Supply Voltage=36V, Min Dual Supply Voltage=2.25V, Min Operating Temperature=-40°C, Min Supply Voltage=4.5V, Nominal Supply Current=140µA, Output Current per Channel=65mA, Bandwidth=2.2MHz, Height=1.75mm, Length=4.9mm, Lifecycle Status=Production, Number of Channels=2, Pins=8, Response Time=700ns, RoHS=Compliant, Slew Rate=6.5V/µs, Thickness=1.58mm, Width=3.91mm
U20: library part CMP-019-00065-1, "ISP452 Series 34 V 100 mOhm SMT Smart Power High Side Switch - PG-DSO-8", Case/Package=SOP, Current=2.4A, Max Operating Temperature=85°C, Max Output current=8.5A, Max Power Dissipation=1.5W, Max Supply Current=500µA, Max Supply Voltage=34V, Min Operating Temperature=-30°C, Min Supply Voltage=5V, Nominal Supply Voltage=41V, On-State Resistance=100mΩ, Operating Supply Voltage=20V, Output Current=2A, Package Quantity=2500, Temperature Grade="Commercial Extended", Voltage=16V, China RoHS=Compliant, Country of Origin=Malaysia, Export Control Classification Number (ECCN) Code=EAR99, Harmonized Tariff Schedule (HTS) Code=8542.39.00.60, Height=1.45mm, Height - Seated (Max)=1.75mm, Introduction Date=2006-03-09, Length=5mm, Lifecycle Status=Production, Load Current=2.4A, Nominal Supply Current=500µA, Number of Channels=1, Number of Circuits=1, Number of Outputs=1, Number of Terminals=8, Number of Transmitters=1, Output Current per Channel=2.4A, Packaging="Tape & Reel", Pins=8, Power Dissipation=1.5W, Radiation Hardening=No, REACH SVHC=Yes, RoHS=Compliant, Schedule B=8542390000, Terminal Pitch=1.27mm, Width=4mm
U21: library part CMP-019-00061-1, "LDO Regulator Pos 0V to 30V 1.1A Automotive 4-Pin(3+Tab) SOT-223", Manufacturer Lifecycle Status=PRODUCTION, Max Operating Temperature=125°C, Max Output current=1.1A, Max Output Voltage=36V, Min Input Voltage=1.2V, Min Operating Temperature=-40°C, Min Output Voltage=0V, Operating Supply Current=300µA, Output Voltage Accuracy=1%, Quiescent Current=500µA, Reference Voltage=5mV, Height=1.7mm, Lead Free="Lead Free", Length=6.71mm, Lifecycle Status=Production, Max Supply Voltage=36V, Min Current Limit=1.1A, Number of Channels=1, Number of Outputs=1, Number of Regulators=1, Output Current=1.1A, Output Type=Adjustable, Pins=3, Polarity=Positive, REACH SVHC=No, RoHS=Compliant, Schedule B="8542390000, 8542390000", Width=3.71mm
U23: library part CMP-019-00067-1, "Low-noise, very low-drift, wide-VIN precision voltage reference 8-SOIC -40 to 125", Case/Package=SOIC, Manufacturer Lifecycle Status=ACTIVE, Max Operating Temperature=125°C, Max Output current=10mA, Max Output Voltage=5V, Max Supply Voltage=18V, Min Input Voltage=5.2V, Min Operating Temperature=-40°C, Nominal Supply Current=800µA, Operating Supply Current=1.2mA, Temperature Coefficient=3ppm/°C, Tolerance=0.05%, Height=1.75mm, Lead Free="Lead Free", Length=4.9mm, Lifecycle Status=Production, Min Output Voltage=5V, Output Current=10mA, Output Type=Fixed, Output Voltage=5V, Pins=8, Radiation Hardening=No, Reference Type=Series, RoHS=Compliant, Schedule B=8542390000, Width=3.91mm, Quiescent Current=800µA, Packaging="Tape & Reel (TR)", Weight=75.891673mg, Thickness=1.58mm
U25: "Integrated Circuit", Manufacturer_Name=Nexperia, Mouser Part Number=771-AHCT125D118, Height=1.75mm, Manufacturer_Part_Number=74AHCT125D,118, Datasheet Link=https://assets.nexperia.com/documents/data-sheet/74AHC_AHCT125.pdf, Mouser Price/Stock=https://www.mouser.co.uk/ProductDetail/Nexperia/74AHCT125D118?qs=P62ublwmbi8WxHlonNNcrA%3D%3D, Arrow Part Number=74AHCT125D,118, Arrow Price/Stock=https://www.arrow.com/en/products/74ahct125d118/nexperia?region=nac
U26: library part CMP-031-00024-1, "Digital to Analog Converters - DAC Qctal Channel", Manufacturer_Name=Microchip, Manufacturer_Part_Number=MCP48CVB28T-20E/ST, Mouser Part Number=579-MCP48CVB28T20EST, Datasheet Link=https://ww1.microchip.com/downloads/aemDocuments/documents/MSLD/ProductDocuments/DataSheets/MCP48CXBX4_8-Family-Data-Sheet-20006556B.pdf, Design Item ID=MCP48CVB28T-20E_ST, Height=1.2mm, Mouser Price/Stock=https://www.mouser.co.uk/ProductDetail/Microchip-Technology/MCP48CVB28T-20E-ST?qs=W%2FMpXkg%252BdQ6AZUXaqyjWrA%3D%3D, Source=MAX17643ATC+.SchLib
U28A U28B: library part CMP-015-00012-1, "3.3 V CAN Transceiver with Standby Mode 8-SOIC -40 to 85", Case/Package=SOIC, Max Operating Temperature=85°C, Max Supply Current=17mA, Max Supply Voltage=3.6V, Min Operating Temperature=-40°C, Min Supply Voltage=3V, Nominal Supply Current=370µA, Operating Supply Voltage=3.3V, Manufacturer Lifecycle Status=ACTIVE, Contact Plating=Gold, Data Rate=1Mbps, Lead Free="Lead Free", Number of Drivers=1, Number of I/Os=2, Number of Receive Buffers=1, Number of Receivers=1, Number of Transceivers=1, Number of Transmit Buffers=1, Packaging="Cut Tape", Radiation Hardening=No, REACH SVHC=No, Termination=SMD/SMT, Weight=72.603129mg, Slew Rate=15V/µs, Schedule B="8542390000, 8542390000", RoHS=Compliant, Pins=8, Lifecycle Status=Production, Width=3.91mm, Interface=CAN, Height=1.75mm, Ambient Temperature Range High=85°C, Thickness=1.58mm, Length=4.9mm
U29A U29B U33A U33B: library part CMP-016-00024-1, "4.1NS@ 3.3V, 50PF 1 2 4 4 1.65V 3.6V 24MA Nand Gate Lvc 24MA TSSOP-14 , 1.2MM", Case/Package=TSSOP, High Level Output Current=-24mA, Low Level Output Current=24mA, Manufacturer Lifecycle Status=ACTIVE, Max Junction Temperature (Tj)=150°C, Max Operating Temperature=125°C, Max Supply Voltage=3.6V, Min Operating Temperature=-40°C, Min Supply Voltage=1.65V, Nominal Supply Current=1µA, Contact Plating=Gold, Height=0m, Lead Free="Lead Free", Length=5mm, Lifecycle Status=Production, Logic Function=NAND, Max Output current=24mA, Mounting Technology="Surface Mount", Number of Bits=4, Number of Channels=4, Number of Circuits=4, Number of Elements=4, Number of Gates=4, Number of Input Lines=2, Number of Inputs=2, Number of Output Lines=1, Number of Outputs=1, Output Current=24mA, Packaging="Tape & Reel", Pins=14, Propagation Delay=3.5ns, Quiescent Current=1µA, Radiation Hardening=No, REACH SVHC=No, RoHS=Compliant, Schedule B="8542390000, 8542390000", Schmitt Trigger Input=No, Termination=SMD/SMT, Thickness=1mm, Turn-On Delay Time=4.3ns, Weight=57.209338mg, Width=4.4mm
U30A U30B U31A U31B: library part CMP-00024-00010-1, "24mA 24mA 1.65V~3.6V -40℃~+125℃ Tri-State SOIC-14 Buffer/Driver/Transceiver ROHS", Case/Package=SOIC, High Level Output Current=-24mA, Low Level Output Current=24mA, Manufacturer Lifecycle Status=ACTIVE, Max Operating Temperature=125°C, Max Power Dissipation=500mW, Max Supply Voltage=3.6V, Min Operating Temperature=-40°C, Min Supply Voltage=1.65V, Nominal Supply Current=40µA, Quiescent Current=1µA, Height=0m, Lead Free="Lead Free", Length=8.65mm, Lifecycle Status=Production, Logic Function="Buffer, Inverting", Mounting Technology="Surface Mount", Number of Bits=4, Number of Bits per Element=1, Number of Channels=4, Number of Circuits=4, Number of Elements=4, Number of Gates=4, Number of Input Lines=4, Number of Inputs=4, Number of Output Lines=3, Number of Outputs=4, Packaging="Tape & Reel", Pins=14, Polarity=Non-Inverting, Propagation Delay=2.5ns, Radiation Hardening=No, REACH SVHC=No, RoHS=Compliant, Schedule B="8542390000, 8542390000", Thickness=1.58mm, Turn-On Delay Time=15.8ns, Width=3.91mm
U32A U32B: library part CMP-031-00023-1, "Bidirectional Quad-Channel High-Speed ESD Protection Device", Manufacturer_Name="Texas Instruments", Mouser Part Number=595-TPD4E1B06DRLR, Arrow Part Number=TPD4E1B06DRLR, Arrow Price/Stock=https://www.arrow.com/en/products/tpd4e1b06drlr/texas-instruments?utm_currency=USD&region=nac, Datasheet Link=http://www.ti.com/lit/ds/symlink/tpd4e1b06.pdf, Design Item ID=TPD4E1B06DRLR, Height=0.6mm, Manufacturer_Part_Number=TPD4E1B06DRLR, Mouser Price/Stock=https://www.mouser.co.uk/ProductDetail/Texas-Instruments/TPD4E1B06DRLR?qs=1MXlzafEN387aRSX0e2MEQ%3D%3D, Source=MAX17643ATC+.SchLib